# Altium PCB PCB1.PcbDoc (part 2 of 2)
Units mil, origin at the board's own origin, x right, y up, seen from the top; angles counter-clockwise.
Board outline 1775.91 x 3937.01 mil, 4 copper layers (Top Layer, GND, VCC, Bottom Layer), stack 61.811 mil thick; 79 components, 57 nets, 427 pads, 509 vias.
Unrouted connection lines stored in the file: 129.
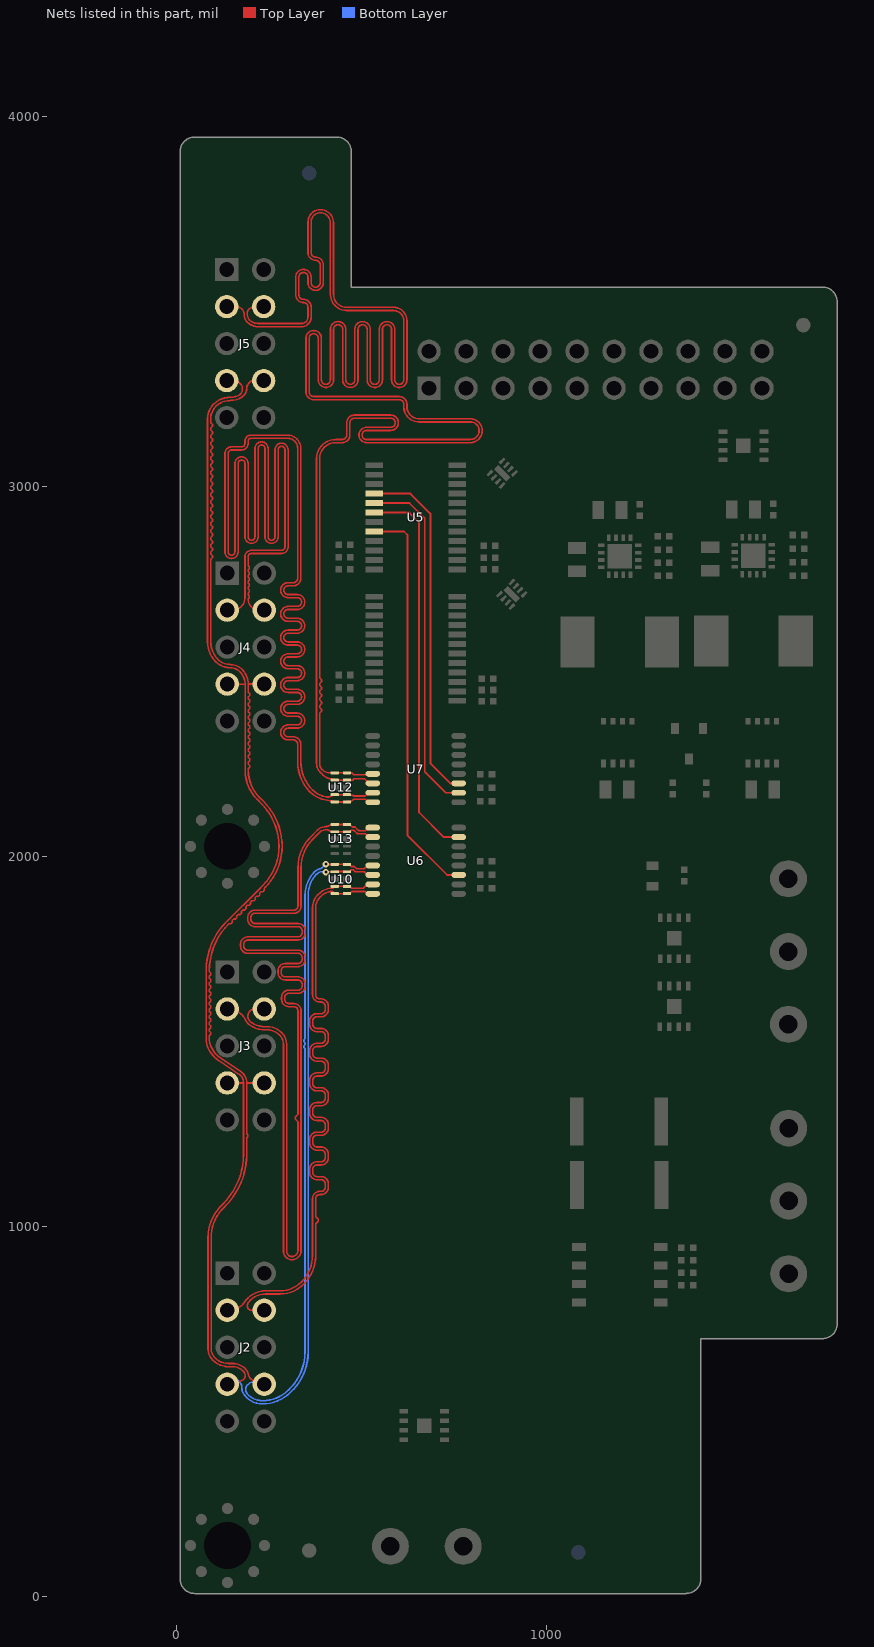
[diagram p4: the nets of this part, all layers, seen from the top]

## Via types
v1: diameter 17.72, hole 7.87, Top Layer to Bottom Layer, tented both sides, 509 vias

## Nets (pads, with @x,y where several pads share a name; then routed paths per layer and width w, separated by ;. In a path a pad name is that pad's centre, name@x,y a point inside that pad or via, vN(x,y) a via of type N, cw(c..) or ccw(c..) an arc to the next point about the centre after c; other vN are vias at no path point) (continued)
SDATA1_N: J2.4 U6.16 U10.1 U10.10 | length 1835.1
  Top Layer w4.52: J2.4@237.25,773.54 205.31,773.54 ccw(c205.34,769.02) 204.69,773.5 cw(c202.96,784.79) 191.53,784.61 cw(c213.73,784.7) 192,789.26 cw(c213.73,784.7) 193.33,793.45 cw(c242.16,757.92) 199.47,800.64 199.59,800.76 cw(c240.18,760.09) 240.18,817.55 280.45,817.55 ccw(c280.45,906.82) 343.57,843.7 344.41,844.53 ccw(c267.67,921.27) 376.19,921.27 376.19,991.84 376.19,1007.45 383.2,1014.45 383.2,1019.45 376.19,1026.46 376.19,1028.72 376.19,1075.28 cw(c387.22,1075.28) 387.22,1086.31 390.93,1086.31 ccw(c390.93,1105.87) 410.49,1105.87 410.49,1115.32 ccw(c390.93,1115.32) 390.93,1134.87 379.49,1134.87 cw(c379.49,1145.91) 368.46,1145.91 368.46,1155.36 cw(c379.49,1155.36) 379.49,1166.39 390.93,1166.39 ccw(c390.93,1185.95) 410.49,1185.95 410.49,1195.4 ccw(c390.93,1195.4) 390.93,1214.96 379.49,1214.96 cw(c379.49,1225.99) 368.46,1225.99 368.46,1235.44 cw(c379.49,1235.44) 379.49,1246.48 390.93,1246.48 ccw(c390.93,1266.03) 410.49,1266.03 410.49,1275.49 ccw(c390.93,1275.49) 390.93,1295.04 379.49,1295.04 cw(c379.49,1306.07) 368.46,1306.07 368.46,1315.53 cw(c379.49,1315.53) 379.49,1326.56 390.93,1326.56 ccw(c390.93,1346.11) 410.49,1346.11 410.49,1355.57 ccw(c390.93,1355.57) 390.93,1375.12 379.49,1375.12 cw(c379.49,1386.15) 368.46,1386.15 368.46,1395.61 cw(c379.49,1395.61) 379.49,1406.64 390.93,1406.64 ccw(c390.93,1426.19) 410.49,1426.19 410.49,1435.65 ccw(c390.93,1435.65) 390.93,1455.2 379.49,1455.2 cw(c379.49,1466.23) 368.46,1466.23 368.46,1475.69 cw(c379.49,1475.69) 379.49,1486.72 390.93,1486.72 ccw(c390.93,1506.27) 410.49,1506.27 410.49,1515.73 ccw(c390.93,1515.73) 390.93,1535.28 379.49,1535.28 cw(c379.49,1546.32) 368.46,1546.32 368.46,1555.77 cw(c379.49,1555.77) 379.49,1566.8 390.93,1566.8 ccw(c390.93,1586.36) 410.49,1586.36 410.49,1595.81 ccw(c390.93,1595.81) 390.93,1615.36 387.22,1615.36 cw(c387.22,1626.4) 376.19,1626.4 376.19,1696.15 376.19,1861.43 cw(c421.38,1861.43) 376.19,1861.7 cw(c417.83,1861.43) 388.45,1890.93 cw(c433.66,1847.13) 389.21,1891.71 cw(c429.87,1850.79) 399.75,1899.98 cw(c420.38,1865.6) 415.68,1905.42 cw(c420.45,1864.4) 420.16,1905.7 cw(c420.18,1901.18) 423.36,1904.39 423.42,1904.33 ; 423.42,1904.32 426.1,1901.65 U10.10@427.9,1899.84 458.85,1899.84 ccw(c458.85,1903.66) U10.1@461.55,1900.96 ; U10.1@460.78,1899.84 467.96,1899.84 473.54,1905.43 509.35,1905.43 515.66,1899.11 U6.16@530.51,1899.11
SDATA1_P: J2.3 U6.15 U10.2 U10.9 | length 1833.7
  Top Layer w4.52: J2.3@137.25,773.54 ccw(c135.13,849.62) 167.75,780.86 ccw(c152.78,812.36) 178.66,788.98 ccw(c152.78,812.36) 178.97,789.33 ccw(c175.56,792.29) 179.13,789.53 cw(c419.18,606.28) 189.04,801.83 189.09,801.88 cw(c242.16,757.92) 190.57,803.61 cw(c419.18,606.28) 190.62,803.67 cw(c419.18,606.28) 192.21,805.5 cw(c211.12,788.91) 193.42,806.78 ; 193.45,806.8 cw(c240.18,759.75) 240.18,826.07 280.45,826.07 ccw(c280.45,906.82) 337.55,849.72 338.38,850.56 ccw(c267.67,921.27) 366.05,903.34 ccw(c267.67,921.27) 367.67,921.27 367.67,1028.72 367.67,1075.28 cw(c387.22,1075.28) 387.22,1094.83 390.93,1094.83 ccw(c390.93,1105.87) 401.97,1105.87 401.97,1115.32 ccw(c390.93,1115.32) 390.93,1126.35 379.49,1126.35 cw(c379.49,1145.91) 359.94,1145.91 359.94,1155.36 cw(c379.49,1155.36) 379.49,1174.92 390.93,1174.92 ccw(c390.93,1185.95) 401.97,1185.95 401.97,1195.4 ccw(c390.93,1195.4) 390.93,1206.44 379.49,1206.44 cw(c379.49,1225.99) 359.94,1225.99 359.94,1235.44 cw(c379.49,1235.44) 379.49,1255 390.93,1255 ccw(c390.93,1266.03) 401.97,1266.03 401.97,1275.49 ccw(c390.93,1275.49) 390.93,1286.52 379.49,1286.52 cw(c379.49,1306.07) 359.94,1306.07 359.94,1315.53 cw(c379.49,1315.53) 379.49,1335.08 390.93,1335.08 ccw(c390.93,1346.11) 401.97,1346.11 401.97,1355.57 ccw(c390.93,1355.57) 390.93,1366.6 379.49,1366.6 cw(c379.49,1386.15) 359.94,1386.15 359.94,1395.61 cw(c379.49,1395.61) 379.49,1415.16 390.93,1415.16 ccw(c390.93,1426.19) 401.97,1426.19 401.97,1435.65 ccw(c390.93,1435.65) 390.93,1446.68 379.49,1446.68 cw(c379.49,1466.23) 359.94,1466.23 359.94,1475.69 cw(c379.49,1475.69) 379.49,1495.24 390.93,1495.24 ccw(c390.93,1506.27) 401.97,1506.27 401.97,1515.73 ccw(c390.93,1515.73) 390.93,1526.76 379.49,1526.76 cw(c379.49,1546.32) 359.94,1546.32 359.94,1555.77 cw(c379.49,1555.77) 379.49,1575.32 390.93,1575.32 ccw(c390.93,1586.36) 401.97,1586.36 401.97,1595.81 ccw(c390.93,1595.81) 390.93,1606.84 387.22,1606.84 cw(c387.22,1626.4) 367.67,1626.4 367.67,1696.15 367.67,1861.43 cw(c417.83,1861.43) 382.31,1896.84 cw(c429.87,1850.79) 395.28,1907.24 cw(c420.38,1865.6) 414.73,1913.89 cw(c420.45,1864.4) 420.12,1914.22 420.72,1914.22 ccw(c420.72,1918.74) 423.9,1915.52 U10.9@427.9,1919.53 459.73,1919.53 U10.2@460.07,1919.86 ; U10.2@460.78,1919.53 467.96,1919.53 473.54,1913.95 504.91,1913.95 515.66,1924.7 U6.15@530.51,1924.7
SDATA2: U5.18 U6.7 | length 1051.4
  Top Layer w5: U5.18@534.45,2929.88 629.55,2929.88 655.51,2903.92 655.51,2119.14 722,2052.66 U6.7@762.8,2052.66
SDATA2_N: J3.4 U6.9 U13.5 U13.6 | length 2870.9
  Top Layer w4.52: J3.4@237.25,1587.92 207.54,1587.92 ccw(c207.57,1583.4) 205.84,1587.58 ccw(c214.05,1568.15) 193.31,1564.35 ccw(c197.74,1565.22) 193.65,1563.29 194.27,1562.02 195.3,1559.87 195.33,1559.81 ccw(c215,1569.58) 203.42,1550.92 203.47,1550.89 cw(c201.09,1547.05) 203.57,1550.82 cw(c196.56,1539.83) 203.75,1550.71 ccw(c238.71,1603.66) 238.54,1540.21 244.44,1540.21 cw(c244.44,1483.06) 284.86,1523.47 cw(c254.06,1492.67) 297.61,1492.67 297.61,933.24 ccw(c312.11,933.24) 312.11,918.75 ccw(c312.11,934.9) 328.26,934.9 328.26,1273.48 328.26,1283.24 320.8,1290.7 320.8,1295.7 328.26,1303.16 328.26,1305.42 328.26,1486.97 328.26,1504.64 328.26,1583.24 ccw(c317.25,1583.24) 317.25,1594.25 303.58,1594.25 cw(c303.58,1613.78) 284.05,1613.78 284.05,1619.28 cw(c303.58,1619.28) 303.58,1638.81 328.52,1638.81 ccw(c328.52,1649.82) 339.53,1649.82 339.53,1655.32 ccw(c328.52,1655.32) 328.52,1666.33 294.04,1666.33 cw(c294.04,1685.86) 274.51,1685.86 274.51,1691.36 cw(c294.04,1691.36) 294.04,1710.89 328.52,1710.89 ccw(c328.52,1721.9) 339.53,1721.9 339.53,1727.41 ccw(c328.52,1727.41) 328.52,1738.41 192.74,1738.41 cw(c192.74,1757.94) 173.21,1757.94 173.21,1763.45 cw(c192.74,1763.45) 192.74,1782.98 328.52,1782.98 ccw(c328.52,1793.98) 339.53,1793.98 339.53,1799.49 ccw(c328.52,1799.49) 328.52,1810.5 212.09,1810.5 cw(c212.09,1830.02) 192.56,1830.02 192.56,1835.53 cw(c212.09,1835.53) 212.09,1855.06 317.25,1855.06 ccw(c317.25,1866.07) 328.26,1866.07 328.26,1956.58 328.26,1970.12 cw(c445.49,1970.12) 362.52,2052.95 ; 362.55,2052.98 381.25,2071.68 cw(c404.35,2048.49) 404.35,2081.22 406.57,2081.22 ccw(c406.53,2087.55) 410.3,2082.47 411.59,2083.42 cw(c415.36,2078.34) 411.93,2083.66 cw(c422.41,2067.74) 422.41,2086.8 U13.6@427.9,2086.8 U13.5@460.78,2086.8 462.92,2086.8 ccw(c462.92,2089.53) U13.5@464.85,2087.6 ; U13.5@464.85,2086.8 467.96,2086.8 475.09,2079.68 482.5,2079.68 491.56,2070.61 494.98,2070.61 495.88,2069.71 509.91,2069.71 518.44,2078.25 U6.9@530.51,2078.25
SDATA2_P: J3.3 U6.10 U13.4 U13.7 | length 2871.3
  Top Layer w4.52: J3.3@137.25,1587.92 cw(c137.25,1527.15) 170.44,1578.06 cw(c141.85,1538.27) 185.87,1559.78 cw(c-562.9,1194.58) 187.51,1556.4 ccw(c215,1569.58) 198.87,1543.72 198.96,1543.66 cw(c196.56,1539.83) 199.03,1543.62 ccw(c238.71,1603.66) 238.54,1531.69 244.44,1531.69 cw(c244.44,1483.06) 278.83,1517.45 cw(c254.06,1492.67) 289.09,1492.67 289.09,933.24 ccw(c312.11,933.24) 312.11,910.23 ccw(c312.11,934.9) 336.78,934.9 336.78,1504.64 336.78,1583.24 ccw(c317.25,1583.24) 317.25,1602.77 303.58,1602.77 cw(c303.58,1613.78) 292.57,1613.78 292.57,1619.28 cw(c303.58,1619.28) 303.58,1630.29 328.52,1630.29 ccw(c328.52,1649.82) 348.05,1649.82 348.05,1655.32 ccw(c328.52,1655.32) 328.52,1674.85 294.04,1674.85 cw(c294.04,1685.86) 283.03,1685.86 283.03,1691.36 cw(c294.04,1691.36) 294.04,1702.37 328.52,1702.37 ccw(c328.52,1721.9) 348.05,1721.9 348.05,1727.41 ccw(c328.52,1727.41) 328.52,1746.93 192.74,1746.93 cw(c192.74,1757.94) 181.73,1757.94 181.74,1763.45 cw(c192.74,1763.45) 192.74,1774.45 328.52,1774.45 ccw(c328.52,1793.98) 348.05,1793.98 348.05,1799.49 ccw(c328.52,1799.49) 328.52,1819.02 212.09,1819.02 cw(c212.09,1830.02) 201.08,1830.02 201.08,1835.53 cw(c212.09,1835.53) 212.09,1846.54 317.25,1846.54 ccw(c317.25,1866.07) 336.78,1866.07 336.78,1956.58 336.78,1970.13 cw(c445.49,1970.12) 368.56,2046.94 387.27,2065.65 cw(c404.35,2048.49) 404.35,2072.7 406.57,2072.7 cw(c406.53,2066.37) 410.31,2071.45 411.59,2070.5 ccw(c415.36,2075.58) 411.9,2070.28 411.95,2070.25 ccw(c422.41,2086.18) 422.41,2067.12 U13.7@427.9,2067.12 456.98,2067.12 ccw(c456.98,2072.13) U13.4@460.52,2068.59 ; U13.4@460.78,2067.12 467.96,2067.12 472,2071.16 478.97,2071.16 488.03,2062.09 491.45,2062.09 492.36,2061.19 509.91,2061.19 518.44,2052.66 U6.10@530.51,2052.66
SDATA3: U5.17 U7.2 | length 954.3
  Top Layer w5: U5.17@534.45,2955.47 629.82,2955.47 670.9,2914.39 670.9,2228.98 727.6,2172.28 U7.2@762.8,2172.28
SDATA3_N: J4.4 U7.16 U12.1 U12.10 | length 4173.3
  Top Layer w4.52: 175.82,3098.91 148.75,3098.91 ccw(c148.75,3089.65) 139.49,3089.65 139.49,2823.66 ccw(c148.75,2823.66) 148.75,2814.4 ccw(c148.75,2823.66) 158.01,2823.66 158.01,3062.61 cw(c175.79,3062.61) 193.57,3062.61 193.57,2864.22 ccw(c202.83,2864.22) 212.09,2864.22 212.1,3103.17 cw(c229.88,3103.17) 229.88,3120.95 cw(c229.88,3103.17) 247.66,3103.17 247.66,2864.22 ccw(c256.92,2864.22) 266.18,2864.22 266.18,3099.56 cw(c283.96,3099.56) 283.96,3117.34 cw(c283.96,3099.56) 301.74,3099.56 301.74,2837.18 cw(c283.96,2837.18) 283.96,2819.39 202.79,2819.39 ccw(c202.83,2810.13) 193.57,2810.18 193.57,2803.61 193.57,2794.45 193.57,2786.44 196.48,2783.53 196.48,2778.53 193.57,2775.63 193.57,2770.63 196.48,2767.73 196.48,2762.73 193.57,2759.82 193.57,2754.82 196.48,2751.92 196.48,2746.92 193.57,2744.01 193.57,2739.01 196.48,2736.11 196.48,2731.11 193.57,2728.21 193.57,2723.21 196.48,2720.3 196.48,2715.3 193.57,2712.4 193.57,2707.4 196.48,2704.49 196.48,2699.49 193.57,2696.59 193.57,2696.32 ccw(c223.81,2696.32) 223.81,2666.08 J4.4@237.25,2666.08 ; 175.83,3098.91 ccw(c175.79,3116.69) 193.57,3116.69 ; 193.57,3116.72 193.57,3123.22 cw(c200.64,3123.22) 200.64,3130.28 300.99,3130.28 cw(c300.99,3103.75) 327.52,3103.75 327.52,2982.91 327.52,2752.1 cw(c315.76,2752.1) 315.76,2740.34 301.88,2740.34 ccw(c301.88,2720.06) 281.59,2720.06 ccw(c301.88,2720.06) 301.88,2699.78 326.38,2699.78 cw(c326.38,2688.02) 338.14,2688.02 cw(c326.38,2688.02) 326.38,2676.26 301.88,2676.26 ccw(c301.88,2655.98) 281.59,2655.98 ccw(c301.88,2655.98) 301.88,2635.7 326.38,2635.7 cw(c326.38,2623.94) 338.14,2623.94 cw(c326.38,2623.94) 326.38,2612.18 301.88,2612.18 ccw(c301.88,2591.9) 281.59,2591.9 ccw(c301.88,2591.9) 301.88,2571.62 326.38,2571.62 cw(c326.38,2559.86) 338.14,2559.86 cw(c326.38,2559.86) 326.38,2548.1 301.88,2548.1 ccw(c301.88,2527.82) 281.59,2527.82 ccw(c301.88,2527.82) 301.88,2507.53 326.38,2507.53 cw(c326.38,2495.77) 338.14,2495.77 cw(c326.38,2495.77) 326.38,2484.01 301.88,2484.01 ccw(c301.88,2463.73) 281.59,2463.73 ccw(c301.88,2463.73) 301.88,2443.45 326.38,2443.45 cw(c326.38,2431.69) 338.14,2431.69 cw(c326.38,2431.69) 326.38,2419.93 301.88,2419.93 ccw(c301.88,2399.65) 281.59,2399.65 ccw(c301.88,2399.65) 301.88,2379.37 326.38,2379.37 cw(c326.38,2367.61) 338.14,2367.61 cw(c326.38,2367.61) 326.38,2355.85 301.88,2355.85 ccw(c301.88,2335.57) 281.59,2335.57 ccw(c301.88,2335.57) 301.88,2315.29 315.76,2315.29 cw(c315.76,2303.53) 327.52,2303.53 327.52,2260.22 327.52,2257.78 327.52,2256.89 cw(c323,2256.86) 327.52,2256.82 ccw(c444.54,2256.71) 361.58,2174.18 ccw(c414.72,2226.83) 400.77,2153.33 401.64,2153.17 418.72,2150.15 ccw(c419.51,2154.6) 419.14,2150.09 ccw(c425.66,2243) 422.98,2149.9 cw(c422.93,2145.38) 425.11,2149.34 425.11,2149.28 U12.10@427.9,2147.6 456.73,2147.6 ccw(c456.73,2150.94) U12.1@459.09,2148.58 ; U12.1@460.78,2147.6 462.45,2149.28 473.21,2149.28 479.16,2155.23 509.91,2155.23 518.44,2146.69 U7.16@530.51,2146.69
SDATA3_P: J4.3 U7.15 U12.2 U12.9 | length 4174.5
  Top Layer w4.52: J4.3@137.25,2666.08 151.31,2666.08 ccw(c151.31,2699.83) 185.05,2699.83 185.05,2803.61 185.05,2810.16 cw(c202.83,2810.13) 202.8,2827.92 283.96,2827.92 ccw(c283.96,2837.18) 293.22,2837.18 293.22,3099.56 ccw(c283.96,3099.56) 283.96,3108.82 ccw(c283.96,3099.56) 274.7,3099.56 274.7,2864.22 cw(c256.92,2864.22) 239.14,2864.22 239.14,3103.17 ccw(c229.88,3103.17) 229.88,3112.43 ccw(c229.88,3103.17) 220.62,3103.17 ; 220.62,3103.17 220.62,2864.22 cw(c202.83,2864.22) 185.05,2864.22 185.05,3062.61 ccw(c175.79,3062.61) 166.53,3062.61 166.53,2823.66 cw(c148.75,2823.66) 148.75,2805.88 cw(c148.75,2823.66) 130.97,2823.66 130.97,3089.65 cw(c148.75,3089.65) 148.75,3107.43 175.84,3107.43 ccw(c175.79,3116.69) 185.05,3116.73 185.05,3123.22 cw(c200.64,3123.22) 200.64,3138.81 300.99,3138.81 cw(c300.99,3103.75) 336.04,3103.75 336.04,2982.91 336.04,2752.1 cw(c315.76,2752.1) 315.76,2731.82 301.88,2731.82 ccw(c301.88,2720.06) 290.12,2720.06 ccw(c301.88,2720.06) 301.88,2708.3 326.38,2708.3 cw(c326.38,2688.02) 346.66,2688.02 cw(c326.38,2688.02) 326.38,2667.74 301.88,2667.74 ccw(c301.88,2655.98) 290.12,2655.98 ccw(c301.88,2655.98) 301.88,2644.22 326.38,2644.22 cw(c326.38,2623.94) 346.66,2623.94 cw(c326.38,2623.94) 326.38,2603.66 301.88,2603.66 ccw(c301.88,2591.9) 290.12,2591.9 ccw(c301.88,2591.9) 301.88,2580.14 326.38,2580.14 cw(c326.38,2559.86) 346.66,2559.86 cw(c326.38,2559.86) 326.38,2539.58 301.88,2539.58 ccw(c301.88,2527.82) 290.12,2527.82 ccw(c301.88,2527.82) 301.88,2516.06 326.38,2516.06 cw(c326.38,2495.77) 346.66,2495.77 cw(c326.38,2495.77) 326.38,2475.49 301.88,2475.49 ccw(c301.88,2463.73) 290.12,2463.73 ccw(c301.88,2463.73) 301.88,2451.97 326.38,2451.97 cw(c326.38,2431.69) 346.66,2431.69 cw(c326.38,2431.69) 326.38,2411.41 301.88,2411.41 ccw(c301.88,2399.65) 290.12,2399.65 ccw(c301.88,2399.65) 301.88,2387.89 326.38,2387.89 cw(c326.38,2367.61) 346.66,2367.61 cw(c326.38,2367.61) 326.38,2347.33 301.88,2347.33 ccw(c301.88,2335.57) 290.12,2335.57 ccw(c301.88,2335.57) 301.88,2323.81 315.76,2323.81 cw(c315.76,2303.53) 336.04,2303.53 336.04,2257.78 336.04,2256.69 ccw(c444.64,2256.75) 367.73,2180.07 ccw(c414.72,2226.83) 402.31,2161.71 ccw(c403.13,2166.16) 402.42,2161.69 402.56,2161.67 ccw(c412.42,2223.5) 411.54,2160.9 ccw(c411.54,2165.42) 413.23,2161.23 414.96,2161.94 U12.9@427.9,2167.29 U12.2@460.31,2167.29 ; U12.2@460.78,2167.29 462.45,2165.61 476.48,2165.61 478.34,2163.75 509.91,2163.75 518.44,2172.28 U7.15@530.51,2172.28
SDATA4: U5.16 U7.3 | length 948.2
  Top Layer w5: U5.16@534.45,2981.06 632.38,2981.06 686.29,2927.15 686.29,2252.06 740.48,2197.88 U7.3@762.8,2197.88
SDATA4_N: J5.4 U7.13 U12.5 U12.6 | length 5134
  Top Layer w4.52: 197.55,3450.56 cw(c212.5,3465.47) 191.38,3465.47 191.38,3469.42 cw(c205,3469.42) 195.37,3479.05 195.53,3479.2 cw(c214.6,3460.14) J5.4@214.6,3487.1 ; 197.62,3450.5 ccw(c221.12,3474) 221.12,3440.76 338.42,3440.76 ccw(c338.42,3457.69) 355.36,3457.69 355.36,3478.75 355.36,3485.27 ccw(c343.1,3485.27) 343.1,3497.53 cw(c343.1,3518.31) 322.32,3518.31 322.32,3566.49 cw(c343.1,3566.49) 343.1,3587.27 cw(c343.1,3566.49) 363.88,3566.49 363.88,3551.35 ccw(c376.14,3551.35) 376.14,3539.09 ccw(c376.14,3551.35) 388.4,3551.35 388.4,3599.54 ccw(c376.14,3599.54) 376.14,3611.8 cw(c376.14,3632.58) 355.36,3632.58 355.36,3639.1 355.36,3715.31 cw(c388.79,3715.31) 388.79,3748.74 cw(c388.79,3713.02) 424.51,3713.02 424.51,3519.78 ccw(c459.7,3519.78) 459.7,3484.59 586.67,3484.59 cw(c586.67,3448.39) 622.86,3448.39 622.86,3441.87 622.86,3288.74 cw(c602.08,3288.74) 581.3,3288.74 581.3,3425.35 ccw(c569.04,3425.35) 556.78,3425.35 556.78,3288.74 cw(c536,3288.74) 515.22,3288.74 515.22,3425.35 ccw(c502.96,3425.35) 490.7,3425.35 490.7,3288.74 cw(c469.92,3288.74) 469.92,3267.96 cw(c469.92,3288.74) 449.13,3288.74 449.13,3425.35 ccw(c436.87,3425.35) 436.87,3437.61 ccw(c436.87,3425.35) 424.61,3425.35 424.61,3288.74 cw(c403.83,3288.74) 383.05,3288.74 383.05,3401.18 ccw(c370.79,3401.18) 370.79,3413.44 ccw(c370.79,3401.18) 358.53,3401.18 358.53,3255.7 ccw(c370.79,3255.7) 370.79,3243.44 602.08,3243.44 cw(c602.08,3222.66) 622.86,3222.66 622.86,3216.14 ccw(c655.7,3216.14) 655.7,3183.3 794.42,3183.3 cw(c794.42,3151.28) 826.44,3151.28 cw(c794.01,3151.28) 794.01,3118.85 666.37,3118.85 514,3118.85 cw(c514,3139.63) 493.22,3139.63 cw(c514,3139.63) 514,3160.41 579.07,3160.41 ccw(c579.07,3172.67) 591.33,3172.67 ccw(c579.07,3172.67) 579.07,3184.93 480.96,3184.93 ccw(c480.96,3172.67) 468.7,3172.67 468.7,3139.63 cw(c447.92,3139.63) 447.92,3118.85 441.4,3118.85 430.15,3118.85 ccw(c430.15,3075.54) 386.84,3075.54 386.84,2485.17 386.84,2482.91 391.83,2477.92 391.83,2472.92 386.84,2467.93 386.84,2462.93 391.83,2457.95 391.83,2452.95 386.84,2447.96 386.84,2442.96 391.83,2437.97 391.83,2432.97 386.84,2427.98 386.84,2422.98 391.83,2417.99 391.83,2412.99 386.84,2408.01 386.84,2403.01 391.83,2398.02 391.83,2393.02 386.84,2388.03 386.84,2299.01 386.84,2257.34 ; 386.84,2257.32 386.84,2251.86 ccw(c411.22,2251.86) 393.95,2234.65 ccw(c413.83,2254.28) 413.85,2226.34 ; 413.9,2226.34 U12.6@427.9,2226.34 U12.5@458.02,2226.34 ; U12.5@460.78,2226.34 473.7,2226.34 478.95,2221.1 515.22,2221.1 U7.13@517.41,2223.29
SDATA4_P: J5.3 U7.14 U12.4 U12.7 | length 5129.2
  Top Layer w4.52: J5.3@164.16,3485.27 164.79,3485.27 cw(c164.79,3469.33) 176.05,3480.61 176.98,3479.68 cw(c162.77,3465.47) 182.86,3465.47 ccw(c212.5,3465.47) 191.66,3444.41 ccw(c221.03,3473.78) 221.03,3432.24 338.42,3432.24 ccw(c338.42,3457.69) 363.88,3457.69 363.88,3478.75 363.88,3485.27 ccw(c343.1,3485.27) 343.13,3506.05 ; 343.12,3506.05 cw(c343.1,3518.31) 330.84,3518.31 330.84,3566.49 cw(c343.1,3566.49) 343.1,3578.75 cw(c343.1,3566.49) 355.36,3566.49 355.36,3551.35 ccw(c376.14,3551.35) 376.14,3530.57 ccw(c376.14,3551.35) 396.92,3551.35 396.92,3599.54 ccw(c376.14,3599.54) 376.17,3620.32 cw(c376.14,3632.58) 363.88,3632.58 363.88,3639.1 363.88,3715.31 cw(c388.79,3715.31) 388.79,3740.22 cw(c388.79,3713.02) 415.99,3713.02 415.99,3519.78 ccw(c459.7,3519.78) 459.7,3476.06 586.67,3476.06 cw(c586.67,3448.39) 614.34,3448.39 614.34,3441.87 614.34,3288.74 cw(c602.08,3288.74) 589.82,3288.74 589.82,3425.35 ccw(c569.04,3425.35) 548.26,3425.35 548.26,3288.74 cw(c536,3288.74) 523.74,3288.74 523.74,3425.35 ccw(c502.96,3425.35) 482.18,3425.35 482.18,3288.74 cw(c469.92,3288.74) 469.92,3276.48 cw(c469.92,3288.74) 457.66,3288.74 457.66,3425.35 ccw(c436.87,3425.35) 436.87,3446.13 ccw(c436.87,3425.35) 416.09,3425.35 416.09,3288.74 cw(c403.83,3288.74) 391.57,3288.74 391.57,3401.18 ccw(c370.79,3401.18) 370.79,3421.96 ccw(c370.79,3401.18) 350.01,3401.18 350.01,3255.7 ccw(c370.79,3255.7) 370.79,3234.92 602.08,3234.92 cw(c602.08,3222.66) 614.34,3222.66 614.34,3216.14 ccw(c655.7,3216.14) 655.7,3174.78 794.42,3174.78 cw(c794.42,3151.28) 817.92,3151.28 cw(c794.01,3151.28) 794.01,3127.37 666.37,3127.37 514,3127.37 cw(c514,3139.63) 501.74,3139.63 cw(c514,3139.63) 514,3151.89 579.07,3151.89 ccw(c579.07,3172.67) 599.85,3172.67 ccw(c579.07,3172.67) 579.07,3193.45 480.96,3193.45 ccw(c480.96,3172.67) 460.18,3172.67 460.18,3139.63 cw(c447.92,3139.63) 447.92,3127.37 441.4,3127.37 430.15,3127.37 ccw(c430.15,3075.54) 378.32,3075.54 378.32,3071.85 378.32,2257.46 ccw(c425.23,2257.44) 378.32,2257.34 378.32,2251.94 ccw(c411.22,2251.86) 388.03,2228.52 ccw(c413.83,2254.28) 388.69,2227.87 cw(c379.32,2218.07) 389.61,2226.91 ccw(c425.23,2257.44) 389.81,2226.68 ccw(c425.23,2257.44) 394.94,2221.61 ccw(c425.64,2252.4) 425.64,2208.92 U12.7@427.9,2206.66 ccw(c429.11,2207.87) 429.11,2206.16 U12.4@458.1,2206.16 ; U12.4@460.78,2206.66 476.2,2206.66 479.44,2209.9 508.39,2209.9 U7.14@518.67,2199.62
SEN: U5.20 U6.3 | length 1088.6
  Top Layer w5: U5.20@534.45,2878.7 614.93,2878.7 624.74,2868.89 624.74,2056.82 731.26,1950.3 U6.3@762.8,1950.3
SEN_N: J2.8 J3.8 J4.8 J5.8 U6.13 U10.5 U10.6 | length 5101.9
  Top Layer w4.52: 92.45,3183.74 92.45,3175 92.45,3172.74 97.3,3167.89 97.3,3162.89 92.45,3158.04 92.45,3153.04 97.3,3148.18 97.3,3143.18 92.45,3138.33 92.45,3133.33 97.3,3128.48 97.3,3123.48 92.45,3118.63 92.45,3113.63 97.3,3108.77 97.3,3103.77 92.45,3098.92 92.45,3093.92 97.3,3089.07 97.3,3084.07 92.45,3079.22 92.45,3074.22 97.3,3069.36 97.3,3064.36 92.45,3059.51 92.45,3054.51 97.3,3049.66 97.3,3044.66 92.45,3039.81 92.45,3034.81 97.3,3029.95 97.3,3024.95 92.45,3020.1 92.45,3015.1 97.3,3010.25 97.3,3005.25 92.45,3000.4 92.45,2995.4 97.3,2990.55 97.3,2985.55 92.45,2980.69 92.45,2975.69 97.3,2970.84 97.3,2965.84 92.45,2960.99 92.45,2955.99 97.3,2951.14 97.3,2946.14 92.45,2941.28 92.45,2936.28 97.3,2931.43 97.3,2926.43 92.45,2921.58 92.45,2916.58 97.3,2911.73 97.3,2906.73 92.45,2901.87 92.45,2896.87 97.3,2892.02 97.3,2887.02 92.45,2882.17 92.45,2877.17 97.3,2872.32 97.3,2867.32 92.45,2862.46 92.45,2857.46 97.3,2852.61 97.3,2847.61 92.45,2842.76 92.45,2837.76 97.3,2832.91 97.3,2827.91 92.45,2823.05 92.45,2818.05 97.3,2813.2 97.3,2808.2 92.45,2803.35 92.45,2799.63 92.45,2580.19 ccw(c159.89,2580.33) 112.36,2532.48 ccw(c145.14,2565.69) 144.82,2519.03 ; 92.45,3183.79 cw(c139.19,3183.69) 106.2,3216.8 cw(c144.89,3177.96) 107.84,3218.37 cw(c145.04,3177.69) 131.48,3231.12 cw(c144.89,3177.96) 144.9,3232.78 ccw(c145.05,3294.28) 169.58,3237.88 ccw(c164.38,3249.84) 170.03,3238.09 ccw(c149.51,3280.22) 176.97,3242.25 ccw(c169.24,3252.75) 177.68,3242.81 182.13,3246.6 ccw(c179.2,3250.04) 182.39,3246.84 ccw(c165.11,3264.01) 189.47,3264 cw(c212.46,3264.01) 196.13,3280.18 198.75,3282.8 ; 128.67,1448.81 118.12,1455.9 cw(c156.69,1512.72) 117.7,1456.19 ccw(c105.16,1438.01) 117.19,1456.53 116.75,1456.82 cw(c137.25,1487.92) 111.68,1460.83 ccw(c105.81,1454.65) 111.57,1460.93 111.45,1461.04 ccw(c102.17,1451.15) 111.12,1461.34 cw(c156.69,1512.72) 90.12,1495.86 cw(c156.62,1512.67) 88.94,1501.51 cw(c102.32,1503.74) 88.76,1503.69 88.76,1510.06 88.76,1515.4 92.7,1519.35 92.7,1524.35 88.76,1528.29 88.76,1533.29 92.7,1537.23 92.7,1542.23 88.76,1546.18 88.76,1551.18 92.7,1555.12 92.7,1560.12 88.76,1564.07 88.76,1569.07 92.7,1573.01 92.7,1578.01 88.76,1581.96 88.76,1586.96 92.7,1590.9 92.7,1595.9 88.76,1599.84 88.76,1604.84 92.7,1608.79 92.7,1613.79 88.76,1617.73 88.76,1622.73 92.7,1626.68 92.7,1631.68 88.76,1635.62 88.76,1640.62 92.7,1644.57 92.7,1649.57 88.76,1653.51 88.76,1658.51 92.7,1662.46 92.7,1667.46 88.76,1671.4 88.76,1676.4 92.7,1680.34 92.7,1685.34 88.76,1689.29 88.76,1691.55 cw(c267.36,1691.36) 140.53,1817.11 cw(c267.36,1691.36) 140.99,1817.57 142.13,1818.71 147.38,1818.71 150.91,1822.24 150.91,1827.49 154.45,1831.03 159.7,1831.03 163.23,1834.56 163.23,1839.81 166.77,1843.35 172.02,1843.35 175.55,1846.88 175.55,1852.13 179.09,1855.67 184.34,1855.67 187.87,1859.21 187.87,1864.45 191.41,1867.99 196.66,1867.99 200.2,1871.53 200.2,1876.78 203.73,1880.31 208.98,1880.31 212.52,1883.85 212.52,1889.1 216.05,1892.63 221.3,1892.63 224.84,1896.17 224.84,1901.42 228.37,1904.95 233.62,1904.95 237.16,1908.49 237.16,1913.74 238.76,1915.34 ccw(c126.33,2028) 285.49,2028.09 ccw(c114.51,2028.2) 235.2,2149.32 235.15,2149.37 224.09,2160.43 cw(c296.21,2232.55) 194.21,2232.39 cw(c296.21,2232.53) 194.21,2232.55 194.21,2232.7 194.21,2237.45 198.04,2241.27 198.04,2246.27 194.21,2250.1 194.21,2255.1 198.04,2258.92 198.04,2263.92 194.21,2267.75 194.21,2272.75 198.04,2276.57 198.04,2281.57 194.21,2285.4 194.21,2290.4 198.04,2294.22 198.04,2299.22 194.21,2303.05 194.21,2308.05 198.04,2311.87 198.04,2316.87 194.21,2320.7 194.21,2325.7 198.04,2329.52 198.04,2334.52 194.21,2338.35 194.21,2343.35 198.04,2347.17 198.04,2352.17 194.21,2356 194.21,2361 198.04,2364.82 198.04,2369.82 194.21,2373.65 194.21,2378.65 198.04,2382.47 198.04,2387.47 194.21,2391.3 194.21,2396.3 198.04,2400.12 198.04,2405.12 194.21,2408.94 194.21,2413.94 198.04,2417.77 198.04,2422.77 194.21,2426.59 194.21,2431.59 198.04,2435.42 198.04,2440.42 194.21,2444.24 194.21,2446.5 194.21,2460.95 cw(c207.77,2460.9) 194.23,2461.56 ccw(c135.95,2464.67) 194.24,2461.77 ccw(c135.95,2464.67) 176.22,2506.91 ccw(c144.89,2472.45) 145.18,2519.03 cw(c145.15,2578.8) 144.83,2519.03 ; 128.71,1448.78 cw(c114.92,1428.09) 128.76,1448.75 174.84,1417.76 ccw(c188.74,1438.38) 175.25,1417.49 175.69,1417.21 cw(c162.2,1396.32) 181.2,1412.36 181.8,1411.65 cw(c156.24,1390.04) 189.63,1387.69 ; 194.15,599.02 ccw(c173.05,596.58) 193.8,601.13 cw(c198.22,602.06) 193.79,601.18 193.73,601.47 ccw(c167.7,596.24) 186.23,615.26 ccw(c151.06,579.63) 166.4,627.28 ccw(c151.06,579.63) 151.06,629.69 140.55,629.69 140.46,629.69 cw(c140.4,681.23) 103.99,644.76 cw(c128.49,669.3) 93.81,669.15 93.81,887.97 93.81,971.05 cw(c204.98,970.93) 95.16,988.24 cw(c204.98,970.93) 117.31,1039.29 cw(c204.87,970.97) 130.41,1053.37 ccw(c124.74,1059.73) 130.7,1053.64 ccw(c-13.3,1197.14) 130.9,1053.85 ccw(c-13.3,1197.14) 173.51,1116.95 ccw(c-13.3,1197.14) 174.52,1119.35 ccw(c-8.92,1195.33) 178.75,1130.51 ccw(c-8.92,1195.33) 189.18,1181.98 ccw(c-8.92,1195.33) 189.63,1195.33 189.63,1238.01 189.63,1240.27 192.3,1242.94 192.3,1247.94 189.63,1250.61 189.63,1264.13 189.63,1374.41 189.63,1387.69 ; 194.92,597.03 ccw(c223.31,609.64) 202.28,586.78 ccw(c237.25,626.39) 202.43,586.64 ccw(c237.25,626.39) J2.8@237.25,573.54 ; 195.1,2466.27 J4.8@207.9,2466.27 ; 198.77,3282.83 cw(c211.09,3270.48) J5.8@211.09,3287.92 ; J3.8@237.25,1387.92 219.45,1387.92 cw(c218.63,1389.29) 218.63,1387.69 189.63,1387.69 ; v1(403.84,1979.35) ccw(c405.69,1981.2) 405.69,1978.58 U10.6@427.9,1978.58 cw(c430.2,1976.29) 430.2,1979.53 U10.5@460.07,1979.53 ; U10.5@460.78,1978.58 467.96,1978.58 469.64,1976.91 469.64,1975.65 472.29,1973 480.89,1973 486.81,1967.08 507.62,1967.08 516.43,1975.89 U6.13@530.51,1975.89
  Bottom Layer w4.52: J2.8@212.53,579.97 210.66,579.97 ccw(c210.66,554.64) 192.75,572.55 191.67,571.47 ccw(c202.73,560.42) 187.09,560.42 187.09,560.12 ccw(c208.19,560.12) 188.89,551.6 ccw(c208.19,560.12) 189.7,549.96 ccw(c193.64,552.19) 190.1,549.37 ccw(c232.62,583.72) 232.74,529.06 ccw(c232.92,626.63) 301.53,557.26 ccw(c232.92,626.63) 301.71,557.44 ccw(c207.41,660.92) 347.41,661.02 347.41,1054.63 347.41,1481.02 344.61,1483.82 344.61,1488.82 347.41,1491.63 347.41,1496.63 344.61,1499.43 344.61,1504.43 347.41,1507.23 347.41,1509.49 347.41,1894.64 cw(c440.1,1894.86) 372.02,1957.76 cw(c381.52,1948.82) 372.69,1958.42 cw(c403.26,1924.9) 375.54,1960.81 cw(c403.26,1924.9) 381.59,1964.76 cw(c387.77,1953.27) 383.46,1965.58 cw(c398.06,1923.04) 388.3,1966.95 ccw(c387.29,1971.35) 389.4,1967.35 ccw(c374.65,1994.57) 391,1968.28 ccw(c374.65,1994.57) 393.65,1970.13 ccw(c390.82,1973.66) 393.72,1970.19 393.79,1970.25 ccw(c306.8,2076.39) v1(403.84,1979.35)
SEN_P: J2.7 J3.7 J4.7 J5.7 U6.14 U10.4 U10.7 | length 4955.1
  Top Layer w4.52: 112.92,1449.14 ccw(c105.16,1438.01) 112.56,1449.37 cw(c137.25,1487.92) 105.89,1454.58 ccw(c96.52,1444.78) 105.52,1454.92 105.43,1455 cw(c156.62,1512.67) 80.33,1501.42 80.3,1501.78 cw(c93.8,1503.07) 80.24,1503.02 80.24,1691.27 cw(c267.35,1691.36) 135.07,1823.7 221.9,1910.54 233.31,1921.94 ccw(c126.33,2028) 276.97,2028.09 276.97,2028.21 ccw(c114.51,2028.2) 229.18,2143.29 218,2154.47 cw(c296.21,2232.55) 185.69,2232.55 185.69,2465.69 185.69,2466.08 185.69,2467.02 185.69,2467.35 ccw(c172.13,2467.36) 185.66,2468.22 ccw(c135.95,2464.67) 174.9,2495.76 ccw(c135.37,2464.06) 170.21,2500.86 ccw(c144.89,2472.45) 145.16,2510.5 cw(c145.14,2565.69) 106.19,2526.6 cw(c159.75,2580.27) 83.93,2580.15 83.93,3183.65 cw(c139.19,3183.69) 99.64,3222.28 100.08,3222.74 cw(c145.04,3177.69) 100.13,3222.78 cw(c145.04,3177.69) 146.32,3241.32 ccw(c145.05,3294.28) 166.23,3245.72 ccw(c164.38,3249.84) 166.33,3245.77 ccw(c149.51,3280.22) 171.92,3249.11 ccw(c169.24,3252.75) 172.69,3249.83 ccw(c149.74,3269.03) 173.86,3251.32 ccw(c149.74,3269.03) 174.89,3252.82 ccw(c156.3,3264.77) 178.4,3264.77 ccw(c161.4,3264.77) 174.56,3275.54 ccw(c161.4,3264.77) 173.42,3276.79 J5.7@165.37,3284.84 ; 113.47,1448.76 170.09,1410.69 ccw(c174.84,1417.76) 170.13,1410.66 cw(c156.25,1390.04) 181.11,1390.04 181.11,1387.92 181.11,1195.33 cw(c-8.92,1195.33) 166.73,1122.81 cw(c-13.3,1197.14) 124.74,1059.73 ccw(c204.87,970.97) 85.29,971.16 85.29,971.08 cw(c78.96,971.03) 85.29,971.03 85.29,669.38 ccw(c128.47,669.29) 97.95,638.75 ccw(c140.4,681.23) 140.46,621.17 151.06,621.17 cw(c151.06,579.63) 163.03,619.41 cw(c151.06,579.63) 180.3,609.14 cw(c167.7,596.24) 182.4,606.68 cw(c167.7,596.24) 185.44,599.45 cw(c173.05,596.57) 180.4,586.19 cw(c177.81,589.9) 180.29,586.12 cw(c137.25,653.47) J2.7@137.25,573.54 ; J3.7@137.25,1387.92 179.41,1387.92 ; J4.7@137.25,2466.08 183.69,2466.08 cw(c183.69,2464.74) 184.64,2465.69 ; v1(403.84,1958.13) cw(c405.69,1956.28) 405.69,1958.9 U10.7@427.9,1958.9 cw(c429.88,1956.92) 429.88,1959.72 U10.4@457.34,1959.72 ; U10.4@460.78,1958.9 467.96,1958.9 469.64,1960.58 469.64,1961.83 472.29,1964.48 477.36,1964.48 483.28,1958.56 507.4,1958.56 515.66,1950.3 U6.14@530.51,1950.3
  Bottom Layer w4.52: J2.7@159.3,586.8 cw(c159.3,578.27) 165.33,584.3 170.87,578.76 cw(c157,564.89) 176.61,564.89 ccw(c212.15,564.89) 182.75,544.93 ccw(c232.62,583.72) 232.65,520.54 ccw(c232.95,626.56) 307.56,551.22 ccw(c232.95,626.56) 307.68,551.34 cw(c310.85,548.13) 307.78,551.44 ccw(c207.41,660.92) 355.93,661.03 355.93,1894.75 ; 355.93,1894.8 cw(c440.1,1894.86) 378.22,1951.91 cw(c381.52,1948.82) 378.47,1952.16 cw(c403.26,1924.9) 378.89,1952.54 cw(c403.26,1924.9) 385.63,1957.25 cw(c387.77,1953.27) 386.28,1957.54 cw(c398.06,1923.04) 392.83,1959.12 cw(c393.47,1954.65) 393.05,1959.15 cw(c395.67,1929.05) v1(403.84,1958.13)
pads on no net: J2.1 J2.2 J2.9 J2.10 J3.1 J3.2 J3.9 J3.10 J4.1 J4.2 J4.9 J4.10 J5.1 J5.2 J5.9 J5.10 MARKPOINT1. MARKPOINT2. MARKPOINT3. MARKPOINT4. POSHOLE1. POSHOLE2. U2.9 U3.9 U5.14 U5.15 U7.9 U7.10 U7.11 U7.12 U14.9 U16.9

## Polygon pours and split planes (outlines as drawn)
DGND on Bottom Layer "DGND_L04_P002" (solid, remove dead copper, pour order 2): 9.84,47.24 9.84,3905.51 cw(c49.21,3905.51) 49.21,3944.88 433.07,3944.88 cw(c433.07,3905.51) 472.44,3905.51 472.44,3539.38 1746.38,3539.38 cw(c1746.38,3500.01) 1785.75,3500.01 1785.75,736.22 cw(c1746.38,736.22) 1746.38,696.85 1417.32,696.85 1417.32,47.45 cw(c1377.95,47.45) 1377.95,8.08 1377.95,7.87 49.21,7.87 cw(c49.21,47.24)
DGND on Top Layer "DGND_L01_P000" (solid, remove dead copper, pour order 0): 9.84,47.24 9.84,3905.51 cw(c49.21,3905.51) 49.21,3944.88 433.07,3944.88 cw(c433.07,3905.51) 472.44,3905.51 472.44,3539.38 1746.38,3539.38 cw(c1746.38,3500.01) 1785.75,3500.01 1785.75,736.22 cw(c1746.38,736.22) 1746.38,696.85 1417.32,696.85 1417.32,47.45 cw(c1377.95,47.45) 1377.95,8.08 1377.95,7.87 49.21,7.87 cw(c49.21,47.24)
+3.3V on VCC (split plane): 379 vertices, not listed, extent 33.54,31.57 1762.05,3921.19
+12V on VCC (split plane): 1414.62,2906.68 1414.62,2883.96 1147.05,2883.96 1144.44,2883.62 1142.01,2882.61 1139.92,2881 1036.19,2777.28 1034.59,2775.19 1033.58,2772.76 1033.24,2770.15 1033.24,2461.26 1033.58,2458.65 1034.59,2456.22 1036.19,2454.13 1294.63,2195.68 1294.63,856.82 939.76,501.95 710.85,501.95 708.24,501.6 705.81,500.6 703.72,498.99 636.99,432.26 635.38,430.17 634.38,427.74 634.03,425.13 634.03,317.68 624.18,307.83 533.63,307.83 521.35,320.11 521.35,556.77 620.81,656.23 830.12,656.23 832.73,656.58 835.17,657.59 837.26,659.19 1041.82,863.75 1043.42,865.84 1044.43,868.27 1044.77,870.88 1044.77,1580.39 1055.74,1599.39 1056.41,1600.79 1057.11,1602.17 1066,1623.63 1066.48,1625.1 1067,1626.56 1073.01,1648.99 1073.29,1650.52 1073.61,1652.03 1076.64,1675.06 1076.72,1676.61 1076.84,1678.15 1076.84,1689.76 1076.84,1701.38 1076.72,1702.92 1076.64,1704.47 1073.61,1727.49 1073.29,1729.01 1073.01,1730.53 1067,1752.97 1066.48,1754.43 1066,1755.9 1057.11,1777.36 1056.41,1778.74 1055.74,1780.14 1044.77,1799.14 1044.77,1837.11 1044.77,2089.13 1044.43,2091.74 1043.42,2094.18 1041.82,2096.27 786.09,2351.99 831.65,2351.99 834.26,2352.33 836.7,2353.34 838.79,2354.95 840.39,2357.03 841.4,2359.47 841.74,2362.08 841.74,2865.73 1016.32,3040.3 1414.62,3040.3
+3.3V on VCC (split plane): 1393.63,47.45 1393.63,45.9 1393.03,42.87 1391.84,40.02 1390.13,37.45 1387.95,35.27 1385.38,33.55 1382.53,32.37 1378.89,31.65 1377.34,31.57 1370.78,31.57 1370.86,31.62 1371.22,31.91 1371.62,32.15 1372.68,33.06 1373.78,33.92 1374.09,34.27 1374.45,34.57 1383.22,43.34 1383.53,43.7 1383.87,44.01 1384.73,45.11 1385.64,46.17 1385.88,46.57 1386.17,46.93 1393.06,57.25 1393.29,57.66 1393.56,58.03 1393.63,58.16
+5V on VCC (split plane): 1416.04,3060.48 1012.14,3060.48 1009.53,3060.13 1007.1,3059.13 1005.01,3057.52 824.52,2877.04 822.92,2874.95 821.91,2872.51 821.57,2869.9 821.57,2372.16 773.26,2372.16 773.26,2897.17 975.64,3099.55 1416.04,3099.55
DGND on GND (split plane): 433.07,3933.01 435.78,3933.01 441.09,3931.96 446.1,3929.88 450.6,3926.87 454.43,3923.04 457.44,3918.54 459.52,3913.53 460.57,3908.22 460.57,3905.51 460.57,3539.38 460.8,3537.06 461.48,3534.83 462.57,3532.78 464.05,3530.98 465.85,3529.51 467.9,3528.41 470.13,3527.74 472.44,3527.51 1746.38,3527.51 1749.09,3527.51 1754.4,3526.45 1759.41,3524.38 1763.91,3521.37 1767.74,3517.54 1770.75,3513.03 1772.82,3508.03 1773.88,3502.71 1773.88,3500.01 1773.88,736.22 1773.88,733.51 1772.82,728.2 1770.75,723.19 1767.74,718.69 1763.91,714.86 1759.4,711.85 1754.4,709.78 1749.09,708.72 1746.38,708.72 1417.32,708.72 1415.01,708.49 1412.78,707.82 1410.73,706.72 1408.93,705.24 1407.46,703.44 1406.36,701.39 1405.68,699.17 1405.46,696.85 1405.46,47.45 1405.46,44.74 1404.4,39.42 1402.32,34.42 1399.32,29.91 1395.48,26.08 1390.98,23.07 1385.98,21 1380.36,19.88 1377.65,19.74 49.21,19.74 46.5,19.74 41.19,20.8 36.19,22.87 31.68,25.88 27.85,29.71 24.84,34.22 22.77,39.22 21.71,44.54 21.71,47.24 21.71,3905.51 21.71,3908.22 22.77,3913.53 24.84,3918.54 27.85,3923.04 31.68,3926.87 36.19,3929.88 41.19,3931.96 46.5,3933.01 49.21,3933.01

## Other copper
Top Layer:
  pour cut-out: 1563.59,1424.33 1563.59,1314.83 1559.12,1319.3 1339.69,1319.3 1339.69,1396.95 1358.26,1415.51
  pour cut-out: 951.48,1025.61 953.16,1027.3 1042.62,1027.3 1042.62,804.47 1040.49,806.61 946.51,806.61
  region net +12V: 1594.14,2987.61 1594.14,2940.79 1604.1,2930.83 1621.81,2930.83 1621.81,2920.19 1573.73,2872.11 1573.73,2863.55 1524.52,2863.55 1517.63,2856.66 1517.63,2837.96 1499.92,2837.96 1499.92,2872.54 1548.21,2920.84 1548.21,2958.04 1531.23,2975.02 1475.52,2975.02 1398.78,2898.27 1362.84,2898.27 1318.35,2942.76 1318.35,2982.66 1360.93,3025.24 1556.51,3025.24
  region net +5V: 1218.38,2961.46 1218.38,2954.35 1242.77,2929.96 1260.48,2929.96 1260.48,2918.94 1212.4,2870.86 1212.4,2862.69 1163.19,2862.69 1147.44,2846.94 1147.44,2837.1 1138.58,2837.1 1138.58,2871.67 1186.88,2919.97 1186.88,2961.46
  pour cut-out: 574.84,2329.41 449.52,2454.73 448.89,2863.88 602.37,2863.88 861.81,3123.32 861.81,3272.47 687.12,3447.16 616.94,3517.33 616.95,4168.08 -218.5,4168.08 -270.34,4116.24 -270.34,520.89 -220.01,470.55 323.16,470.55 450.58,597.97 450.58,1763.77 574.84,1888.03
  region net DGND: 1241.86,2941.97 1257.56,2941.97 1257.56,2941.54 1323.67,2875.43 1323.67,2820.11 1409.79,2820.11 1409.79,2884.75 1356.88,2884.75 1279.71,2961.49 1241.86,2961.49
  pour cut-out: 1420.66,2712.62 1696.18,2712.62 1696.18,2451.86 1422.4,2451.86
  pour cut-out: 1059.32,2710.13 1334.84,2710.13 1334.84,2449.38 1061.06,2449.38
  region net +5V: 1187.06,2961.22 1187.06,2999.14 1235.84,3047.92 1279.91,3047.92 1451.18,3219.19 1451.18,3265.85 1514.17,3265.85 1514.17,3186.11 1477.59,3149.53 1477.59,3066.8 1455.27,3044.47 1362.41,3044.47 1288.95,2971.01 1237.92,2971.01 1224.46,2957.55 1224.46,2955.38 1224.46,2912.01 1194.84,2912.01 1186.88,2919.97
  region net +3.3V_FROM_+5V: 1037.76,2648.81 1037.76,2475.66 1147.58,2365.84 1234.43,2365.84 1239.79,2371.2 1239.79,2411.8 1130.28,2521.3 1130.28,2648.81
  region net +3.3V: 1603.09,2252.06 1537.49,2252.06 1537.49,2192.64 1491.47,2146.62 1380.28,2146.62 1350.02,2176.87 1266.91,2176.87 1212.54,2231.24 1212.54,2252.06 1147.58,2252.06 1147.58,2241.24 1206.74,2190.73 1206.74,2152.68 1295.5,2063.92 1541.87,2063.92 1584.73,2106.78 1584.73,2223.44 1603.09,2241.8
  region net +3.3V_FROM_+12V: 1491.62,2603.86 1491.62,2518.83 1543.59,2466.86 1628.61,2466.86 1638.29,2457.19 1638.29,2374.73 1629.4,2365.84 1480.66,2365.84 1440.32,2325.51 1440.32,2240.81 1440.32,2190.65 1422.61,2190.65 1420.16,2193.1 1420.16,2320.54 1400.4,2340.3 1400.4,2660.05
  region net DGND: 1604.1,2944.61 1621.81,2944.61 1621.81,2944.17 1687.92,2878.06 1687.92,2823.67 1705.64,2823.67 1731.44,2849.47 1731.44,2897.41 1666.53,2962.32 1604.1,2962.32
  region net DGND: 1483.28,3396.98 1586.81,3396.98 1607.5,3376.29 1607.5,3363.13 1677.39,3193.77 1677.39,3044.03 1587.83,3044.03 1587.83,3168.85 1550.71,3251.53 1550.71,3287.1 1503.44,3334.37 1482.23,3334.37
  region net DGND: 1147.58,2777.12 1125.53,2777.12 1092.76,2818.28 1061.47,2818.28 1061.47,2849.78 1096.74,2849.78 1129.85,2806.65 1147.58,2806.65
  region net NetL2_1: 1163.18,2760.68 1212.4,2760.68 1212.4,2742.98 1279.99,2737.65 1358.63,2659.02 1358.63,2511.01 1266.11,2511.01 1266.11,2658.92 1217.09,2707.93 1190.72,2707.93 1163.18,2735.47
  region net +3.3V_FROM_+5V: 1056.63,2786.09 1106.36,2786.09 1106.36,2758.35 1130.28,2648.81 1130.28,2511.01 1037.76,2511.01 1037.76,2648.81
  region net DGND: 1159.83,2911.21 1110.68,2862.06 1110.68,2818.16 1110.56,2818.28 1061.47,2818.28 1061.47,2893.55 1128.34,2960.42 1159.83,2960.42
  region net DGND: 1516.72,2913.11 1467.57,2863.96 1467.57,2820.07 1381.69,2820.07 1381.69,2858.79 1485.22,2962.32 1516.72,2962.32
  region net DGND: 1504.46,2779.03 1482.41,2779.03 1449.64,2820.19 1418.36,2820.19 1418.36,2851.69 1453.62,2851.69 1486.74,2808.55 1504.46,2808.56
  region net +3.3V_FROM_+12V: 1417.96,2788.57 1467.69,2788.57 1467.69,2760.83 1491.62,2651.29 1491.62,2513.49 1399.1,2513.49 1399.1,2651.29
  region net NetL1_1: 1524.52,2763.16 1573.73,2763.16 1573.73,2745.46 1641.33,2740.13 1719.96,2661.5 1719.96,2513.49 1627.44,2513.49 1627.44,2661.4 1578.43,2710.42 1552.05,2710.42 1524.52,2737.95
  region net ISOGND1: 1088.39,906.21 1088.39,835.39 1177.76,835.39 1282.15,964.47 1407.51,964.47 1546.19,911.05 1612.8,844.43 1684.78,844.43 1684.78,911.51 1605.16,991.14 1427.34,1026.55 1246.37,1026.55 1167,947.18 1131.98,905.64 1089.53,905.64
  region net NetJ7_2: 1654.48,1118.23 1597.82,1118.23 1431.45,1165.96 1319.06,1171.83 1317.18,1051.69 1441.95,1048.94 1594.58,1019.04 1654.48,1019.04
  region net NetJ7_3: 1654.72,1315.86 1454.75,1322.63 1319.57,1341.18 1306.74,1330.98 1306.74,1235.38 1318.64,1223.48 1654.72,1215.86
  region net DGND: 1653.43,1793.26 1496.22,1793.26 1425.11,1722.16 1299.86,1722.16 1299.86,1649.91 1433.69,1649.91 1477.05,1693.26 1654.55,1693.26
  region net CAMERA_TRIG1: 1655.35,1596.41 1482.72,1596.41 1425.98,1539.67 1298.75,1539.67 1285.57,1552.85 1229.19,1552.85 1229.19,1547.73 1280.88,1496.04 1657.52,1496.04
  region net CAMERA_TRIG2: 1652.73,1990.11 1519.76,1990.11 1403.23,1873.59 1282.62,1873.59 1230.15,1821.12 1233.37,1816.23 1286.32,1816.23 1304.32,1834.24 1450.03,1834.24 1505.9,1890.11 1655.61,1890.11
  region net DGND: 717.87,507.52 717.87,122.85 739.58,101.14 803.64,101.14 823.18,120.68 823.18,506.46 805.03,524.61 734.96,524.61
  region net +12V: 628.77,132.48 628.77,355.49 619.23,365.03 619.23,507.51 602.74,524.01 543.82,524.01 528.62,508.81 528.62,131.96
Bottom Layer:
  region net +3.3V: 1535.03,2147 932.7,2147 919.41,2133.71 919.41,1933.66 931.56,1921.5 998.33,1921.5 1010.15,1933.32 1010.15,2044.07 1022.6,2056.52 1533.01,2056.52 1558.19,2081.71 1558.19,2123.84
  region net +3.3V: 1547.01,1447.27 917.85,1447.27 910.74,1440.16 910.74,1233.15 927.63,1216.27 1114.1,1216.27 1253.09,1355.27 1547.3,1355.27 1556.21,1364.77 1556.21,1438.07
  pour cut-out: 450.58,1763.77 450.58,597.97 323.16,470.55 -220.01,470.55 -270.34,520.89 -270.34,3416.86 -200.53,3486.67 283.99,3486.67 362.45,3408.21 362.45,2310.82 574.84,2098.43 574.84,1888.03
  region net +12V: 1577.12,3022.08 1557.7,3041.49 1324.9,3041.49 1309.38,3025.97 1309.38,2951.24 1373.52,2887.1 1585.28,2887.1 1593.27,2895.09 1593.27,2938.61 1577.12,2954.77
  pour cut-out: 1420.66,2712.62 1696.18,2712.62 1696.18,2451.86 1422.4,2451.86
  pour cut-out: 1059.32,2710.13 1334.84,2710.13 1334.84,2449.38 1061.06,2449.38
  region net DGND: 1483.28,3396.98 1586.81,3396.98 1607.5,3376.29 1607.5,3363.13 1695.34,3150.28 1695.34,2960.7 1686.11,2951.47 1598.77,2951.47 1587.83,2962.42 1587.83,3168.85 1550.71,3251.53 1550.71,3287.1 1503.44,3334.37 1482.23,3334.37
  region net +12V: 629.93,133.02 629.93,608.03 524.05,608.03 524.05,132.48
  region net DGND: 717.87,608.38 717.87,122.85 739.58,101.14 803.64,101.14 823.18,120.68 823.18,608.38
GND (plane layer: these items are gaps in the copper):
  pour cut-out: 1420.66,2712.62 1696.18,2712.62 1696.18,2451.86 1422.4,2451.86
  pour cut-out: 1059.32,2710.13 1334.84,2710.13 1334.84,2449.38 1061.06,2449.38
VCC (plane layer: these items are gaps in the copper):
  pour cut-out: 1420.66,2712.62 1696.18,2712.62 1696.18,2451.86 1422.4,2451.86
  pour cut-out: 1059.32,2710.13 1334.84,2710.13 1334.84,2449.38 1061.06,2449.38
  lines w20: 763.17,2362.08 831.65,2362.08 831.65,2869.9 1012.14,3050.39 1424.7,3050.39 1424.7,2906.68 1424.7,2877.78 1420.8,2873.87 1147.05,2873.87 1043.32,2770.15 1043.32,2461.26 1304.72,2199.86 1304.72,852.64 943.94,491.86 710.85,491.86 644.12,425.13 644.12,313.51 628.36,297.75 529.45,297.75 511.26,315.93 511.26,560.95 616.63,666.32 830.12,666.32 1034.68,870.88 1034.68,1837.11 ; 1034.68,1828.57 1034.68,2089.13 763.17,2360.64 763.17,2901.35 971.46,3109.63 1426.13,3109.63 1426.13,3004.5 1424.7,3003.08

## Silkscreen, mask and mechanical layers (free items; w line width, h text height)
Top Overlay:
  drawing of 12 lines, arcs and shapes, not listed
  text "0V" at 906.8,3443.46 h60
  text "O0 O1 / O2 O3 / O4 O5 / O6 O7 / I0 I1 / I2 I3 / I4 I5 / I6 I7 / 5V GD / NC GD" at 1408.59,3040.33 h60 r90
  text "0V" at 787.37,1415.36 h60
  text "CAMERA" at 1510.49,1386.54 h60
  text "VALVEBOARD  1  |  2  |  3  |  4" at 505.72,991.82 h60 r90
  text "ENCODER" at 1483.86,713.05 h60
  text "0V" at 1108.93,622.95 h60
  text "POWER" at 937.15,46.9 h60 r90
Bottom Overlay:
  text "12V" at 1506.34,3043.38 h60
  text "0V" at 1690.24,3043.38 h60
  text "epcextend_v2.0" at 1722.23,2765.61 h40 r90
  text "12V" at 619.42,616.54 h60
  text "0V" at 807.04,614.96 h60
Top Solder:
  region: 792.41,3476.92 ccw(c843.24,3476.92) 843.24,3426.1 ccw(c843.24,3476.92) 894.06,3476.92 ccw(c843.24,3476.92) 843.24,3527.74 ccw(c843.24,3476.92)
  region: 678.7,1445.35 ccw(c729.52,1445.35) 729.52,1394.53 ccw(c729.52,1445.35) 780.34,1445.35 ccw(c729.52,1445.35) 729.52,1496.17 ccw(c729.52,1445.35)
  region: 1190.08,649.33 ccw(c1240.9,649.33) 1240.9,598.5 ccw(c1240.9,649.33) 1291.72,649.33 ccw(c1240.9,649.33) 1240.9,700.15 ccw(c1240.9,649.33)
Bottom Solder:
  rectangle: 1408.59,2941.15 1516.27,3040.33
  rectangle: 1603.41,2942.23 1711.09,3041.36
  rectangle: 717.87,526.71 824.03,608.38
  rectangle: 523.85,529.02 629.93,608.03
  region: 772.52,3478.75 ccw(c823.34,3478.75) 823.34,3427.93 ccw(c823.34,3478.75) 874.17,3478.75 ccw(c823.34,3478.75) 823.34,3529.57 ccw(c823.34,3478.75)
  region: 677.37,1444.41 ccw(c728.2,1444.41) 728.2,1393.59 ccw(c728.2,1444.41) 779.02,1444.41 ccw(c728.2,1444.41) 728.2,1495.23 ccw(c728.2,1444.41)
  region: 1243.04,630.09 ccw(c1293.86,630.09) 1293.86,579.27 ccw(c1293.86,630.09) 1344.69,630.09 ccw(c1293.86,630.09) 1293.86,680.92 ccw(c1293.86,630.09)
Mechanical 1:
  circle w1: c1317.31,100.1 r62.99
  circle w1: c157.48,3857.98 r62.99
  circle w0.98: c875.98,1689.76 r177.17
  circle w1: c732.28,887.8 r177.17
  lines w1: 1377.95,7.87 49.21,7.87 cw(c49.21,47.24) 9.84,47.24 9.84,3905.51 cw(c49.21,3905.51) 49.21,3944.88 433.07,3944.88 cw(c433.07,3905.51) 472.44,3905.51 472.44,3539.38 1746.38,3539.38 cw(c1746.38,3500.01) 1785.75,3500.01 1785.75,736.22 cw(c1746.38,736.22) 1746.38,696.85 1417.32,696.85 1417.32,47.45 cw(c1377.95,47.45) 1377.95,8.08
Mechanical 2:
  lines w1: 0,0 3245.49,0 3245.49,4015.46 0,4015.46 0,0